# Allegro board 1155001-Timing_board_V3_20241024_1805_pcb.brd (continued)
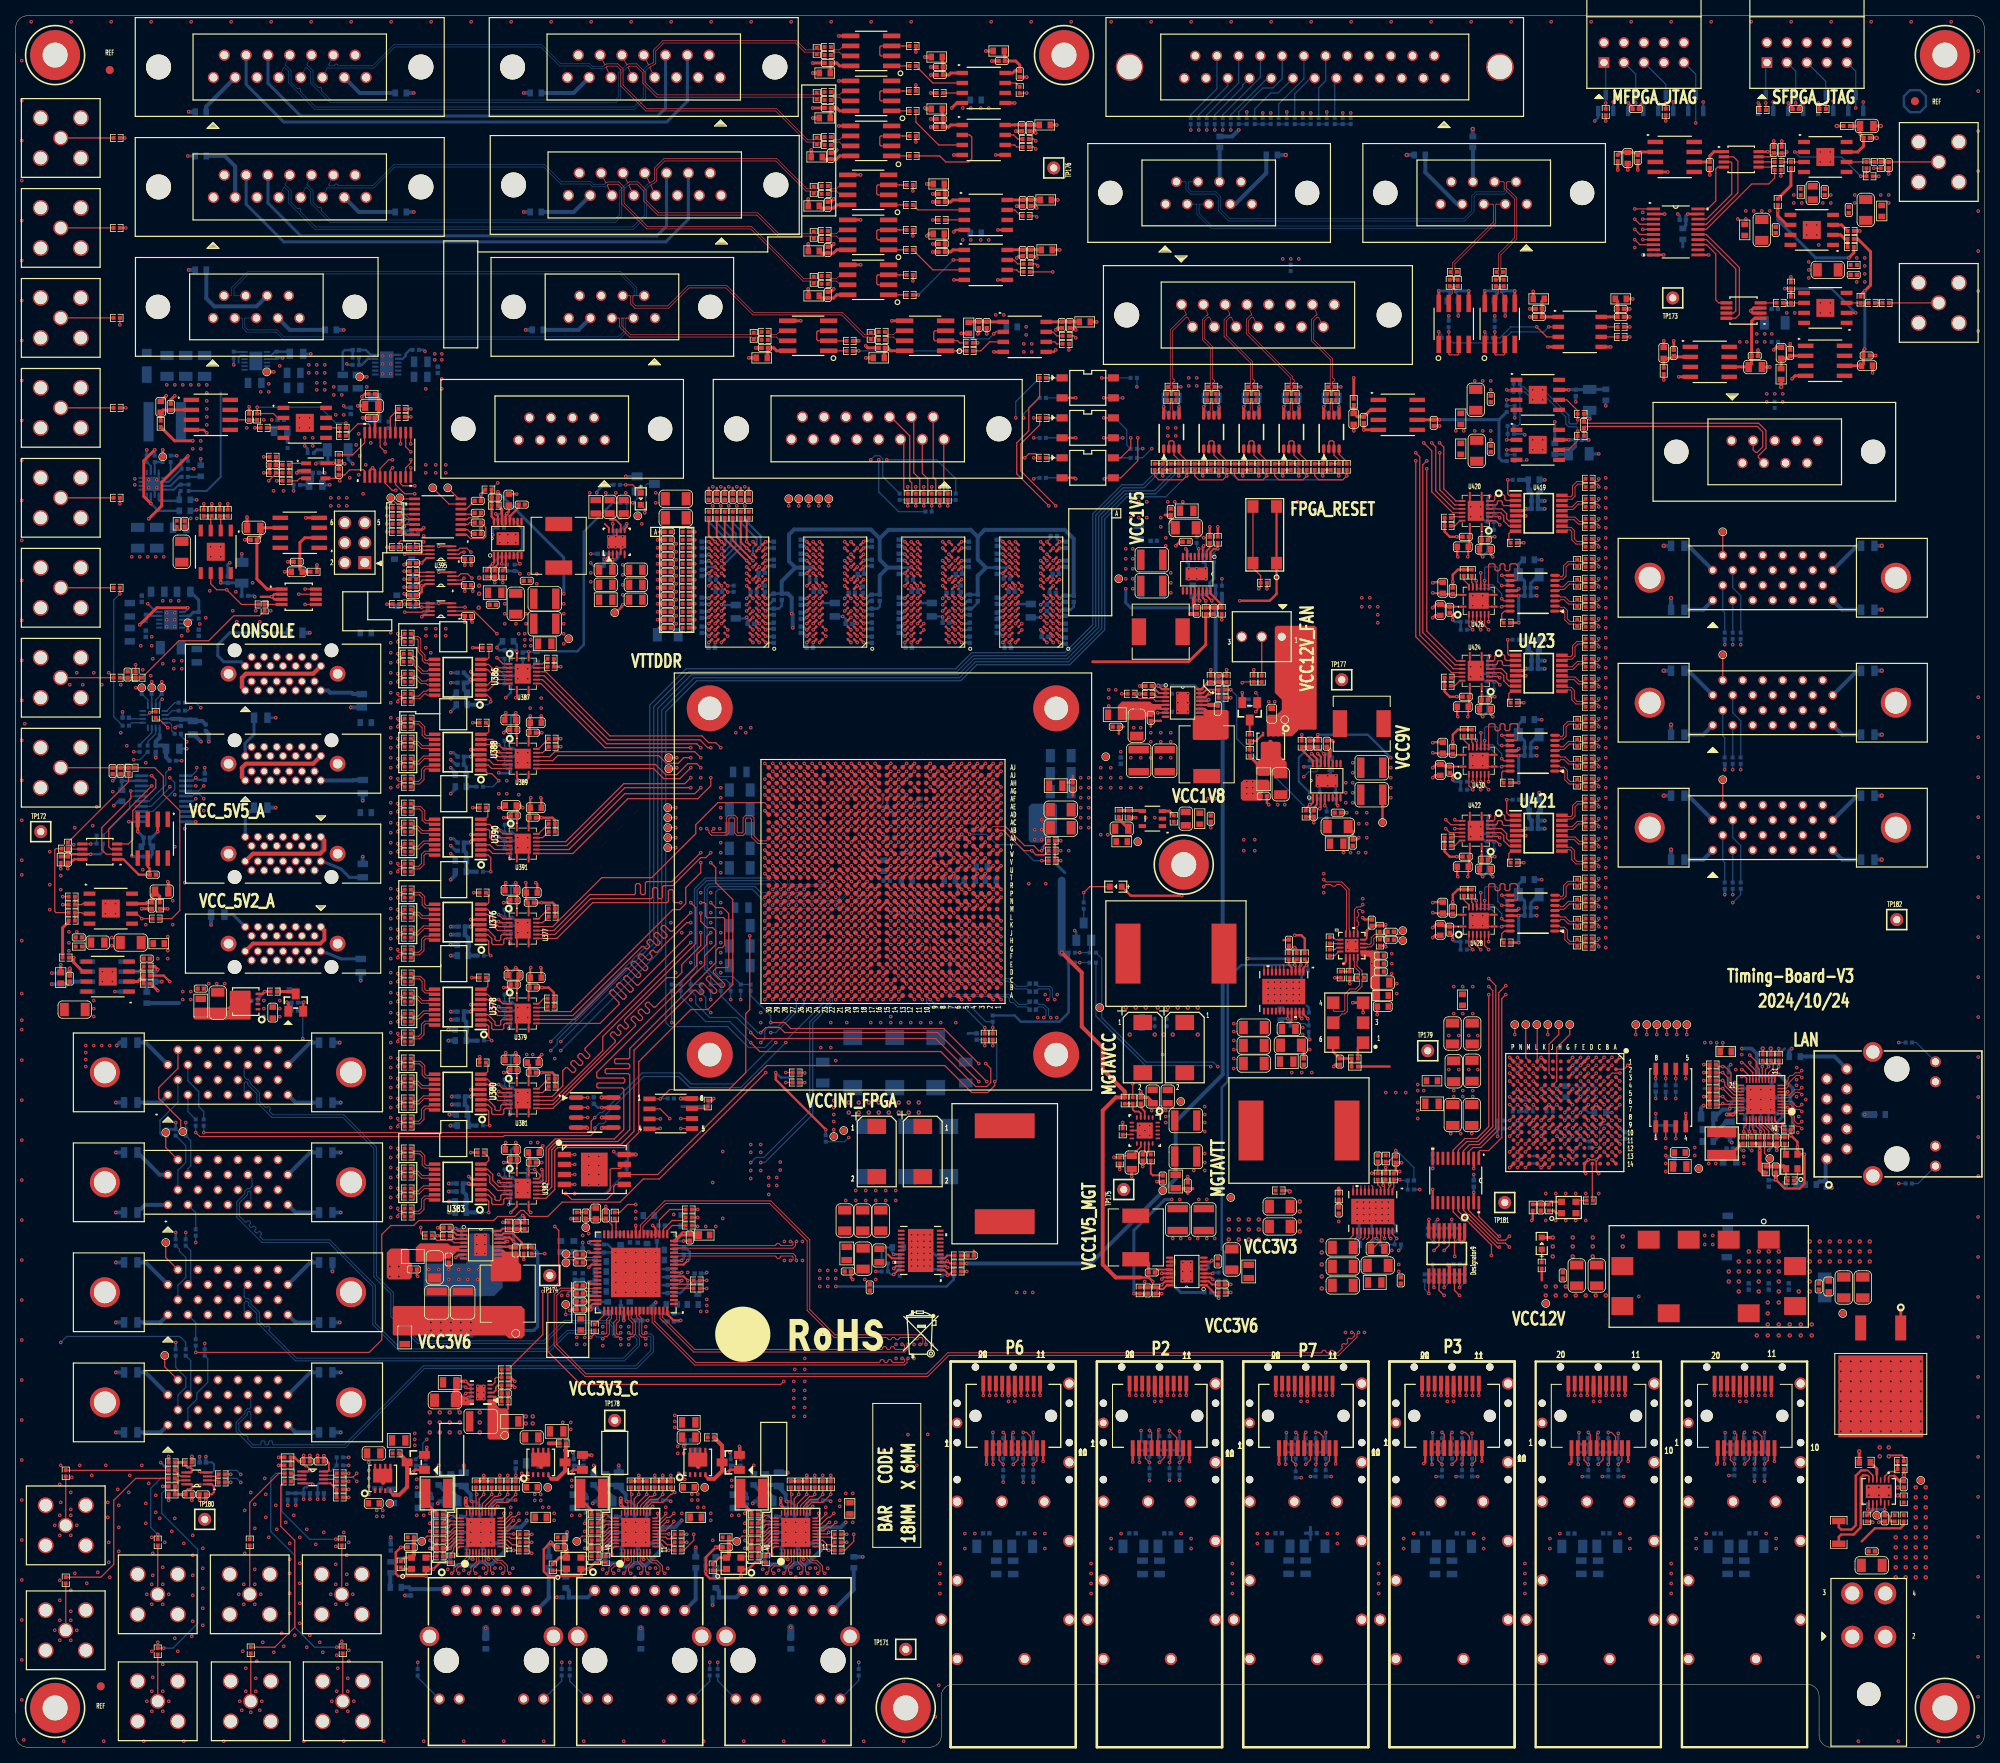
[diagram p0: board, top side]
## Routing (per net, layer and track width the routed paths; a pad name or vN(x,y) marks a point on that pad's centre or on a via; arc(x,y) is an arc through that point) (continued)
DDR3_A_DM1: length 27.9
  TOP w0.254: U75.D3 v1(118.52,143.57) ; U247.AK3 v1(123.14,125)
  ART03 w0.102: 123.22,125.5 123.22,125.46 123.14,125.38 v1(123.14,125)
  ART03 w0.183: v1(118.52,143.57) 117.72,142.77 117.32,142.77 117.12,142.97 117.12,144.3 116.94,144.48 116.41,144.48 116.23,144.29 116.23,141.14 120.73,136.64 120.73,131.37 123.5,128.6 123.5,125.77 123.22,125.5
DDR3_A_DM2: length 43.7
  TOP w0.254: U76.E7 v1(126.97,143.57) ; U247.AE1 v1(125.14,120)
  ART10 w0.102: v1(125.14,120) 125.33,120.2 126.08,120.2 126.35,120.47
  ART10 w0.183: v1(126.97,143.57) 127.52,143.57 127.79,143.84 127.79,145.37 128.37,145.95 128.37,148.58 128.55,148.77 128.93,148.77 129.11,148.58 129.11,147.18 129.29,147 129.58,147 129.77,146.82 129.77,146.45 129.58,146.27 129.29,146.27 129.11,146.09 129.11,145.67 128.55,145.11 128.55,143.32 128.32,143.09 128.32,142.49 128.55,142.26 128.55,140.82 130.52,138.84 130.52,136.1 128.4,133.98 128.4,130.32 131.11,127.61 131.11,125.23 126.35,120.47
DDR3_A_DM3: length 37.4
  TOP w0.254: U76.D3 v1(130.97,142.77) ; U247.AC1 v1(125.14,118)
  ART03 w0.102: 131.85,139.93 131.49,139.93 131.37,140.06 131.37,142.55 131.14,142.77 v1(130.97,142.77) ; v1(125.14,118) 125.21,118.08 127.49,118.08 127.71,118.29
  ART03 w0.183: 127.71,118.29 133.52,124.1 133.52,127.02 133.79,127.29 134.05,127.29 134.62,126.72 134.88,126.72 135.14,126.98 135.14,127.24 134.57,127.81 134.57,128.07 134.83,128.33 135.09,128.33 135.25,128.16 135.51,128.16 135.77,128.42 135.77,128.68 135.61,128.84 135.61,129.1 136.09,129.59 136.09,136.29 132.45,139.93 131.85,139.93
DDR3_A_DM4: length 42.9
  TOP w0.254: U247.AF15 v1(111.14,121) ; U77.E7 v1(89.63,143.57)
  ART10 w0.102: v1(111.14,121) 110.79,121 109.34,122.45 108.94,122.45 108.74,122.65 108.74,125.25 108.61,125.38 108.61,125.47 108.04,126.04
  ART10 w0.183: v1(89.63,143.57) 90.44,144.38 90.59,144.38 90.72,144.26 90.72,142.45 90.91,142.25 90.91,140.68 90.73,140.5 90.4,140.5 90.22,140.32 90.22,139.87 90.49,139.59 91.37,139.59 91.55,139.41 91.55,139.1 91.37,138.91 90.33,138.91 90.14,138.73 90.14,138.36 90.33,138.18 91.68,138.18 91.87,138 91.87,135.12 94.94,132.05 102.03,132.05 108.04,126.04
DDR3_A_DM5: length 37
  TOP w0.254: U247.AF18 v1(107.14,121) ; U77.D3 v1(93.63,143.57)
  ART03 w0.102: 95.45,141.57 94.19,141.57 94.03,141.73 94.03,143.17 v1(93.63,143.57) ; v1(107.14,121) 107.74,121.6 109.31,121.6 110.02,122.32 110.02,125.5
  ART03 w0.183: 95.45,141.57 96.13,141.57 96.31,141.75 96.31,142.4 96.49,142.58 96.86,142.58 97.04,142.4 97.04,141.75 97.23,141.57 97.6,141.57 97.93,141.24 97.93,137.57 106.07,129.43 107.21,129.43 110.02,126.61 110.02,125.5
DDR3_A_DM6: length 48.6
  TOP w0.254: v1(107.14,118) U247.AC19 ; U78.E7 v1(102.07,143.57)
  ART10 w0.102: v1(107.14,118) 107.14,118.39 107.24,118.49 109.42,118.49 109.63,118.7 109.63,119.13 109.9,119.4 113.41,119.4 113.74,119.73 113.74,120.81 113.84,120.91 114.17,120.91 114.27,121.01 114.27,121.21 114.17,121.31 113.84,121.31 113.74,121.42 113.74,125.53
  ART10 w0.183: v1(102.07,143.57) 102.12,143.57 103.31,142.38 103.31,141.9 103.5,141.72 103.86,141.72 104.04,141.53 104.04,141.17 103.86,140.99 103.5,140.99 103.31,140.8 103.31,140.49 103.53,140.28 103.98,140.28 104.19,140.07 104.19,139.56 106.19,137.57 106.45,137.57 106.83,137.95 107.08,137.95 107.34,137.69 107.34,137.43 106.96,137.05 106.96,136.79 107.22,136.53 107.48,136.53 107.86,136.91 108.12,136.91 108.38,136.66 108.38,136.4 108,136.02 108,135.76 108.26,135.5 108.52,135.5 108.9,135.88 109.15,135.88 109.41,135.62 109.41,135.36 109.03,134.98 109.03,134.72 109.29,134.47 109.55,134.47 109.93,134.85 110.19,134.85 110.45,134.59 110.45,134.33 110.07,133.95 110.07,133.69 110.33,133.43 110.58,133.43 110.96,133.81 111.22,133.81 111.48,133.55 111.48,133.29 111.1,132.91 111.1,132.65 111.36,132.4 111.62,132.4 112,132.78 112.26,132.78 112.52,132.52 112.52,132.26 112.34,132.09 112.34,131.83 112.7,131.47 112.96,131.47 113.13,131.65 113.39,131.65 113.74,131.29 113.74,125.53
DDR3_A_DM7: length 40.2
  TOP w0.254: U78.D3 v1(106.07,143.57) ; U247.Y15 v1(111.14,115)
  ART03 w0.102: v1(106.07,143.57) 106.47,143.17 107.98,143.17 ; 116.57,125.36 116.57,116.83 116.2,116.46 115.95,116.46 115.57,116.08 115.57,115.82 115.32,115.57 111.71,115.57 v1(111.14,115)
  ART03 w0.183: 116.57,125.36 116.57,134.42 110.5,140.5 110.5,141.68 109,143.17 107.98,143.17
DDR3_A_DQS0_N: length 32.4
  TOP w0.183: U247.AJ7 v1(119.14,124) ; U75.G3 v1(117.72,145.17)
  ART10 w0.102: 119.49,125.5 119.49,125.49 119.54,125.44 119.54,123.76 119.37,123.6 119.25,123.6 119.14,123.71 v1(119.14,124)
  ART10 w0.145: 119.49,125.5 119.49,126 121.16,127.67 121.16,130.18 121.65,130.66 121.65,131.2 121.16,131.68 121.16,132.59 121.48,132.91 122.31,132.91 122.46,133.06 122.46,133.63 122.31,133.78 121.48,133.78 121.16,134.1 121.16,134.92 121.48,135.24 122.31,135.24 122.46,135.39 122.46,135.97 122.31,136.11 121.48,136.11 121.16,136.43 121.16,138.47 120.76,138.87 119,138.87 117.73,140.15 117.73,142.55 116.47,143.8 116.47,144.39 116.98,144.91 117.46,144.91 v1(117.72,145.17)
DDR3_A_DQS0_P: length 32.5
  TOP w0.183: U75.F3 v1(117.72,144.37) ; U247.AH7 v1(119.14,123)
  ART10 w0.102: 119.79,125.5 119.74,125.45 119.74,123.68 119.46,123.4 119.24,123.4 119.14,123.3 v1(119.14,123)
  ART10 w0.145: 119.79,125.5 119.79,125.88 121.46,127.55 121.46,130.05 121.94,130.54 121.94,131.32 121.46,131.81 121.46,132.47 121.61,132.61 122.43,132.61 122.75,132.93 122.75,133.76 122.43,134.08 121.61,134.08 121.46,134.22 121.46,134.8 121.61,134.95 122.43,134.95 122.75,135.26 122.75,136.09 122.43,136.41 121.61,136.41 121.46,136.55 121.46,138.59 120.89,139.17 120.39,139.17 120.24,139.32 119.8,139.32 119.65,139.17 119.13,139.17 118.86,139.43 118.86,139.64 118.6,139.9 118.39,139.9 118.02,140.27 118.02,142.67 116.77,143.93 116.77,144.27 117.1,144.61 117.48,144.61 v1(117.72,144.37)
DDR3_A_DQS1_N: length 27.7
  TOP w0.183: U247.AH1 v1(125.14,122) ; U75.B7 v1(115.32,141.97)
  ART03 w0.102: v1(125.14,122) 124.85,122 124.75,122.1 124.75,122.32 124.47,122.6 122.97,122.6 122.74,122.83 122.74,125.47 122.75,125.49 122.75,125.5
  ART03 w0.145: v1(115.32,141.97) 115.18,142.12 114.97,142.12 114.83,141.97 114.83,141.7 119.88,136.65 119.88,136.21 120.03,136.06 120.03,135.63 119.88,135.47 119.88,135.04 120.03,134.89 120.03,134.45 119.88,134.3 119.88,133.87 120.03,133.71 120.03,133.28 119.88,133.13 119.88,132.69 120.03,132.54 120.03,132.11 119.88,131.95 119.88,131.26 122.75,128.39 122.75,125.5
DDR3_A_DQS1_P: length 27.8
  TOP w0.183: U247.AG2 v1(124.14,122) ; U75.C7 v1(115.32,142.77)
  ART03 w0.102: v1(124.14,122) 124.43,122 124.55,122.11 124.55,122.23 124.38,122.4 122.89,122.4 122.54,122.75 122.54,125.42 122.46,125.5
  ART03 w0.145: 122.46,125.5 122.46,128.27 119.58,131.14 119.58,136.52 114.53,141.58 114.53,142.09 114.85,142.41 114.96,142.41 v1(115.32,142.77)
DDR3_A_DQS2_N: length 43.6
  TOP w0.183: U247.AG3 v1(123.14,122) ; U76.G3 v1(130.17,145.17)
  ART10 w0.102: v1(123.14,122) 122.74,121.6 122.74,119.83 122.97,119.6 125.57,119.6 125.61,119.65 125.64,119.65
  ART10 w0.145: 125.64,119.65 126.49,119.65 131.95,125.12 131.95,127.6 128.94,130.61 128.94,133.85 130.41,135.32 132.84,135.32 133.01,135.48 133.01,135.88 132.86,136.03 131.51,136.03 131.2,136.35 131.2,136.99 131.51,137.31 131.82,137.31 131.96,137.46 131.96,137.75 131.82,137.89 131.51,137.89 131.2,138.21 131.2,139.12 129.24,141.08 129.24,144.63 129.58,144.98 129.97,144.98 v1(130.17,145.17)
DDR3_A_DQS2_P: length 44.1
  TOP w0.183: U247.AG4 v1(122.14,122) ; U76.F3 v1(130.17,144.37)
  ART10 w0.102: v1(122.14,122) 122.54,121.6 122.54,119.75 122.89,119.4 125.57,119.4 125.61,119.35 125.64,119.35
  ART10 w0.145: v1(130.17,144.37) 129.86,144.68 129.71,144.68 129.54,144.51 129.54,141.2 131.49,139.25 131.49,138.33 131.64,138.19 131.94,138.19 132.26,137.87 132.26,137.34 131.94,137.02 131.64,137.02 131.49,136.87 131.49,136.47 131.64,136.32 132.99,136.32 133.3,136.01 133.3,135.36 132.97,135.02 132.63,135.02 132.48,134.87 132.05,134.87 131.89,135.02 130.53,135.02 129.23,133.73 129.23,130.74 132.25,127.72 132.25,124.99 126.61,119.35 125.64,119.35
DDR3_A_DQS3_N: length 37.7
  TOP w0.183: U76.B7 v1(127.77,141.97) ; U247.AD1 v1(125.14,119)
  ART03 w0.102: 125.64,119.36 125.63,119.36 125.58,119.4 124.87,119.4 124.71,119.25 124.71,119.1 124.82,119 v1(125.14,119)
  ART03 w0.145: v1(127.77,141.97) 127.59,142.14 127.41,142.14 127.26,142 127.26,141.16 127.67,140.75 127.95,140.75 128.65,141.45 129.1,141.45 129.68,140.87 129.68,140.41 129.04,139.77 129.04,139.56 129.9,138.7 129.9,136.21 130.19,135.92 130.7,135.92 131.05,135.58 131.05,134.81 130.7,134.46 130.21,134.46 129.19,133.44 129.19,130.79 131.59,128.39 131.59,124.52 129.85,122.79 129.4,122.79 128.71,123.48 128.51,123.48 128.1,123.07 128.1,122.86 128.79,122.17 128.79,121.72 126.42,119.36 125.64,119.36
DDR3_A_DQS3_P: length 38.5
  TOP w0.183: U76.C7 v1(127.77,142.77) ; U247.AD2 v1(124.14,119)
  ART03 w0.102: 125.64,119.65 125.59,119.6 124.78,119.6 124.51,119.33 124.51,119.1 124.41,119 v1(124.14,119)
  ART03 w0.145: 125.64,119.65 126.3,119.65 127.66,121.01 127.66,121.23 127.97,121.54 128.18,121.54 128.49,121.84 128.49,122.05 127.8,122.74 127.8,123.19 128.38,123.77 128.83,123.77 129.53,123.08 129.73,123.08 131.29,124.65 131.29,125.51 131.14,125.67 131.14,126.1 131.29,126.25 131.29,128.26 130.68,128.87 130.47,128.87 130.16,129.18 130.16,129.4 128.89,130.66 128.89,133.57 130.08,134.76 130.58,134.76 130.75,134.93 130.75,135.46 130.58,135.63 130.06,135.63 129.6,136.09 129.6,138.57 128.74,139.44 128.74,139.89 129.39,140.54 129.39,140.74 128.98,141.15 128.77,141.15 128.07,140.45 127.55,140.45 126.96,141.04 126.96,142.12 127.28,142.44 127.43,142.44 v1(127.77,142.77)
DDR3_A_DQS4_N: length 39.9
  TOP w0.183: U247.AJ16 v1(109.14,124) ; U77.G3 v1(92.83,145.17)
  ART10 w0.102: 109.23,126.49 109.3,126.49 109.42,126.36 109.42,125.45 109.6,125.27 109.6,123.78 109.43,123.6 109.24,123.6 109.14,123.7 v1(109.14,124)
  ART10 w0.145: 109.23,126.49 102.51,133.21 97.25,133.21 96.92,133.54 96.92,134.32 96.75,134.49 96.22,134.49 96.05,134.32 96.05,133.71 95.72,133.38 95,133.38 94.64,133.75 94.64,134.71 94.44,134.91 93.81,134.91 93.04,135.68 93.04,139.95 92.72,140.26 92.4,140.26 92.08,140.58 92.08,141.41 92.4,141.72 92.76,141.72 92.91,141.87 92.91,142.45 92.76,142.59 91.87,142.59 91.55,142.91 91.55,144.48 91.97,144.9 92.56,144.9 v1(92.83,145.17)
DDR3_A_DQS4_P: length 40.6
  TOP w0.183: U77.F3 v1(92.83,144.37) ; U247.AH16 v1(109.14,123)
  ART10 w0.102: 109.45,126.69 109.45,126.63 109.63,126.45 109.63,125.53 109.81,125.36 109.81,123.69 109.51,123.4 109.24,123.4 109.14,123.3 v1(109.14,123)
  ART10 w0.145: v1(92.83,144.37) 92.6,144.6 92.09,144.6 91.85,144.36 91.85,143.03 91.99,142.89 92.89,142.89 93.21,142.57 93.21,141.75 92.89,141.43 92.52,141.43 92.38,141.28 92.38,140.7 92.52,140.56 92.84,140.56 93.33,140.07 93.33,135.8 93.93,135.2 94.56,135.2 94.93,134.83 94.93,133.87 95.12,133.68 95.6,133.68 95.75,133.84 95.75,134.44 96.1,134.79 96.87,134.79 97.22,134.44 97.22,133.66 97.38,133.5 97.81,133.5 97.96,133.65 98.4,133.65 98.55,133.5 98.98,133.5 99.14,133.65 99.57,133.65 99.72,133.5 100.16,133.5 100.31,133.65 100.74,133.65 100.9,133.5 102.64,133.5 102.99,133.15 103.2,133.15 103.51,132.85 103.51,132.63 103.82,132.32 104.03,132.32 104.34,132.02 104.34,131.8 104.65,131.49 104.86,131.49 105.17,131.19 105.17,130.97 105.48,130.66 105.69,130.66 106,130.36 106,130.14 109.45,126.69
DDR3_A_DQS5_N: length 34.9
  TOP w0.183: U247.AK18 v1(107.14,125) ; U77.B7 v1(90.43,141.17)
  ART03 w0.102: 107.49,125.5 107.49,125.49 107.54,125.44 107.54,124.66 107.43,124.56 107.14,124.56 107.01,124.69 107.01,124.87 v1(107.14,125)
  ART03 w0.145: 107.49,125.5 107.49,125.71 106.22,126.97 105.11,126.97 101.45,130.63 99.88,130.63 95.17,135.35 95.17,135.8 95.28,135.91 95.28,136.12 94.87,136.53 94.76,136.53 94.66,136.53 94.42,136.29 91.23,136.29 90.91,136.61 90.91,137.24 91.23,137.55 91.92,137.55 92.06,137.7 92.06,138.28 91.92,138.42 91.23,138.42 90.91,138.74 90.91,139.5 91.23,139.82 92.25,139.82 92.4,139.96 92.4,140.54 92.25,140.68 91.23,140.68 90.91,141 90.91,141.33 90.76,141.47 90.57,141.47 90.43,141.33 v1(90.43,141.17)
DDR3_A_DQS5_P: length 35.3
  TOP w0.183: U247.AJ18 v1(107.14,124) ; U77.C7 v1(90.43,141.97)
  ART03 w0.102: 107.79,125.5 107.79,125.49 107.74,125.44 107.74,124.58 107.52,124.36 107.36,124.36 107.14,124.13 v1(107.14,124)
  ART03 w0.145: 107.79,125.5 107.79,125.83 106.34,127.27 105.23,127.27 101.57,130.93 100.01,130.93 95.46,135.47 95.46,135.68 95.57,135.79 95.57,136.14 95.57,136.24 94.99,136.82 94.77,136.82 94.76,136.82 94.54,136.82 94.3,136.59 91.35,136.59 91.2,136.73 91.2,137.11 91.35,137.26 92.04,137.26 92.36,137.58 92.36,138.4 92.04,138.72 91.35,138.72 91.2,138.87 91.2,139.37 91.35,139.52 92.38,139.52 92.7,139.84 92.7,140.66 92.38,140.98 91.35,140.98 91.2,141.13 91.2,141.45 90.89,141.77 90.63,141.77 v1(90.43,141.97)
DDR3_A_DQS6_N: length 48
  TOP w0.183: U78.G3 v1(105.27,145.17) ; U247.Y18 v1(107.14,115)
  ART10 w0.102: v1(107.14,115) 107.14,114.73 107.26,114.6 107.43,114.6 107.54,114.71 107.54,115.23 107.37,115.4 106.76,115.4 106.54,115.62 106.54,117.29 106.85,117.6 114.34,117.6 114.54,117.8 114.54,119.32 114.94,119.72 114.94,125.4 114.76,125.58 114.76,126.06 114.71,126.11
  ART10 w0.145: v1(105.27,145.17) 105.01,144.91 104.35,144.91 103.79,144.34 103.79,143.62 104.65,142.76 104.98,142.76 105.34,142.4 105.34,140.09 105.86,139.57 107.07,139.57 111.48,135.16 111.48,135.03 111.83,134.68 111.96,134.68 112.31,134.33 112.31,134.11 112.62,133.8 112.83,133.8 113.14,133.5 113.14,133.28 113.45,132.97 113.66,132.97 114.71,131.93 114.71,126.11
DDR3_A_DQS6_P: length 47.5
  TOP w0.183: U78.F3 v1(105.27,144.37) ; U247.Y19 v1(107.14,114)
  ART10 w0.102: 115.01,126.11 114.96,126.06 114.96,125.66 115.14,125.48 115.14,119.63 114.74,119.24 114.74,117.71 114.43,117.4 106.93,117.4 106.74,117.2 106.74,115.7 106.84,115.6 107.45,115.6 107.74,115.32 107.74,114.62 107.52,114.4 107.24,114.4 107.14,114.3 v1(107.14,114)
  ART10 w0.145: v1(105.27,144.37) 105.03,144.61 104.48,144.61 104.09,144.22 104.09,143.74 104.78,143.05 105.11,143.05 105.64,142.52 105.64,140.21 105.98,139.87 107.19,139.87 115.01,132.05 115.01,126.11
DDR3_A_DQS7_N: length 40.6
  TOP w0.183: U247.AC15 v1(110.14,118) ; U78.B7 v1(102.87,141.17)
  ART03 w0.102: 113.49,125.5 113.49,125.49 113.54,125.44 113.54,118.82 113.31,118.6 111.56,118.6 110.51,117.55 110.19,117.55 110.08,117.65 110.08,117.95 v1(110.14,118)
  ART03 w0.145: 113.49,125.5 113.49,126.6 113.34,126.75 113.34,127.18 113.49,127.33 113.49,127.77 113.34,127.92 113.34,128.36 113.49,128.51 113.49,128.94 113.34,129.09 113.34,129.53 113.49,129.68 113.49,130.07 113.04,130.53 113.04,130.85 112.73,131.15 112.52,131.15 112.21,131.46 112.21,131.68 111.89,131.99 111.68,131.99 111.37,132.3 111.37,132.51 111.07,132.82 110.85,132.82 110.54,133.13 110.54,133.34 110.24,133.65 110.03,133.65 109.84,133.46 109.39,133.46 108.8,134.04 108.8,134.49 108.99,134.69 108.99,134.89 108.59,135.3 108.38,135.3 108.19,135.11 107.74,135.11 107.15,135.69 107.15,136.14 107.34,136.34 107.34,136.54 106.96,136.92 106.76,136.92 106.32,136.49 105.87,136.49 105.33,137.03 105.33,137.48 106.14,138.29 106.14,138.5 105.89,138.74 105.57,138.74 105.23,138.4 104.78,138.4 104.19,138.98 104.19,139.43 104.9,140.15 104.9,141.34 104.69,141.55 104.2,141.55 104.05,141.4 103.61,141.4 103.46,141.55 103.05,141.55 102.87,141.38 v1(102.87,141.17)
DDR3_A_DQS7_P: length 40.1
  TOP w0.183: U78.C7 v1(102.87,141.97) ; U247.AC16 v1(110.14,117)
  ART03 w0.102: 113.79,125.5 113.79,125.49 113.74,125.44 113.74,118.74 113.4,118.4 111.65,118.4 110.6,117.35 110.24,117.35 110.14,117.25 v1(110.14,117)
  ART03 w0.145: 113.79,125.5 113.79,130.2 113.33,130.65 113.33,130.97 110.36,133.95 109.91,133.95 109.71,133.75 109.51,133.75 109.1,134.16 109.1,134.37 109.29,134.56 109.29,135.01 108.71,135.6 108.26,135.6 108.06,135.4 107.86,135.4 107.45,135.81 107.45,136.02 107.64,136.21 107.64,136.66 107.09,137.22 106.63,137.22 106.2,136.78 105.99,136.78 105.63,137.15 105.63,137.36 106.44,138.17 106.44,138.62 106.02,139.04 105.45,139.04 105.1,138.7 104.9,138.7 104.49,139.11 104.49,139.31 105.2,140.03 105.2,141.46 104.82,141.85 103,141.85 v1(102.87,141.97)
DDR3_A_ODT: length 115
  TOP w0.254: U247.AK10 v1(116.14,125) ; U75.K1 v1(120.12,148.37) ; U76.K1 v1(132.57,148.37) ; R484.2 v1(86.23,142.24) ; U78.K1 v1(107.67,148.37) ; U77.K1 v1(95.23,148.37)
  ART03 w0.102: v1(132.57,148.37) U76.K1 120.52,147.97 v1(120.12,148.37) U75.K1 108.07,147.97 v1(107.67,148.37) U78.K1 95.63,147.97 v1(95.23,148.37)
  ART05 w0.183: v1(132.57,148.37) 132.57,148.08 133.71,146.93 133.71,140.2 132.54,139.03 129.37,139.03 128.33,137.99 121.47,137.99 120.01,136.53 118.92,136.53 118.61,136.83 118.19,136.83 117.88,136.53 117.46,136.53 117.15,136.83 116.73,136.83 116.42,136.53 115.77,136.53 115.59,136.34 115.59,135.98 115.77,135.79 118.8,135.79 118.99,135.61 118.99,135.24 118.8,135.06 115.77,135.06 115.59,134.88 115.59,134.51 115.77,134.33 116.96,134.33 117.14,134.15 117.14,133.78 116.96,133.6 115.04,133.6 114.83,133.39 114.83,132.35 114.65,132.16 114.33,132.16 114.15,131.98 114.15,131.62 114.33,131.43 114.65,131.43 114.83,131.25 114.83,130.88 114.65,130.7 112.94,130.7 112.76,130.52 112.76,130.15 112.94,129.97 114.65,129.97 114.83,129.79 114.83,129.42 114.65,129.24 112.94,129.24 112.76,129.06 112.76,128.69 112.94,128.51 114.65,128.51 114.83,128.32 114.83,126.3 v1(116.14,125)
  ART10 w0.102: v1(95.23,148.37) U77.K1 87.77,147.97 87.37,147.57
  ART10 w0.183: 87.37,147.57 86.87,147.07 86.87,142.88 v1(86.23,142.24)
DDR3_A_RAS_B: length 110.3
  TOP w0.254: U76.J3 v1(130.17,147.57) ; U75.J3 v1(117.72,147.57) ; U77.J3 v1(92.83,147.57) ; U78.J3 v1(105.27,147.57) ; U247.AK9 v1(116.14,124) ; R482.2 v1(86.23,143.26)
  ART05 w0.102: v1(116.14,124) 115.75,124 115.24,124.51 115.19,124.51 114.2,125.5 ; v1(130.17,147.57) 129.77,147.97 118.12,147.97 v1(117.72,147.57) 117.32,147.97 105.67,147.97 v1(105.27,147.57) 104.87,147.97 93.23,147.97 v1(92.83,147.57)
  ART05 w0.183: v1(130.17,147.57) 130.18,147.56 130.18,146.94 129.59,146.35 129.59,140.63 127.92,138.96 113.09,138.96 111.41,137.28 109.43,137.28 109.25,137.1 109.25,136.73 109.43,136.55 111.39,136.55 111.58,136.36 111.58,136 111.39,135.82 109.43,135.82 109.25,135.63 109.25,135.27 109.43,135.08 111.39,135.08 111.58,134.9 111.58,134.54 111.39,134.35 109.43,134.35 109.25,134.17 109.25,133.8 109.43,133.62 111.39,133.62 111.58,133.44 111.58,133.07 111.39,132.89 109.43,132.89 109.25,132.71 109.25,132.34 109.43,132.16 111.39,132.16 111.58,131.98 111.58,128.12 114.2,125.5
  ART08 w0.102: v1(86.23,143.26) 87,144.02 87,145.54 87.82,146.37 89.79,146.37 89.8,146.37 90.59,146.37 91.79,147.57 v1(92.83,147.57)
DDR3_A_RESET_B: length 109.7
  TOP w0.254: U76.T2 v1(130.97,153.17) ; U75.T2 v1(118.52,153.17) ; U247.AE13 v1(113.14,120) ; U77.T2 v1(93.63,153.17) ; U78.T2 v1(106.07,153.17)
  ART03 w0.102: v1(130.97,153.17) 130.57,152.77 U75.T2 v1(118.52,153.17) 118.12,152.77 U78.T2 v1(106.07,153.17) 105.67,152.77 U77.T2 v1(93.63,153.17)
  ART05 w0.102: v1(113.14,120) 113.74,119.4 113.74,115.67 114.01,115.4 121.39,115.4 121.74,115.75 121.74,116.28 121.86,116.4 125.47,116.4 125.61,116.26 125.64,116.26
  ART05 w0.183: v1(130.97,153.17) 131.9,154.11 134.3,154.11 139.08,149.33 139.08,136.84 136.44,134.21 136.44,126.43 134.27,124.26 134.27,123.3 127.23,116.26 125.64,116.26
  BOTTOM w0.254: R8.1 131.43,153.63 v1(130.97,153.17)
DDR3_A_S0_B: length 114.4
  TOP w0.254: U77.L2 v1(93.63,148.37) ; R479.2 v1(86.23,144.27) ; U247.AH9 v1(117.14,123) ; U78.L2 v1(106.07,148.37) ; U76.L2 v1(130.97,148.37) ; U75.L2 v1(118.52,148.37)
  ART03 w0.102: v1(93.63,148.37) U77.L2 105.67,148.77 v1(106.07,148.37) U78.L2 118.12,148.77 v1(118.52,148.37) U75.L2 130.57,148.77 v1(130.97,148.37)
  ART05 w0.102: v1(130.97,148.37) 131.39,148.79 132.72,148.79 133.06,148.45 ; 116.74,124.84 116.74,123.4 v1(117.14,123)
  ART05 w0.183: 116.74,124.84 116.74,125.09 115.32,126.51 115.32,128.26 115.5,128.44 118.14,128.44 118.32,128.62 118.32,128.99 118.14,129.17 115.52,129.17 115.32,129.37 115.32,129.72 115.5,129.9 118.14,129.9 118.32,130.09 118.32,130.45 118.14,130.63 115.52,130.63 115.32,130.84 115.32,131.18 115.5,131.37 118.14,131.37 118.32,131.55 118.32,131.91 118.14,132.1 115.52,132.1 115.32,132.3 115.32,132.66 115.5,132.84 118.33,132.84 119.73,134.24 120.92,134.24 124.18,137.5 128.53,137.5 129.57,138.54 132.74,138.54 134.2,140 134.2,147.31 133.06,148.45
  ART10 w0.102: 85.98,147.7 86.11,147.83 86.49,147.83 86.97,148.31 91.87,148.31 92.33,148.77 93.23,148.77 v1(93.63,148.37)
  ART10 w0.183: v1(86.23,144.27) 85.72,144.78 85.72,147.45 85.98,147.7
DDR3_A_WE_B: length 107.9
  TOP w0.254: U75.L3 v1(117.72,149.17) ; U76.L3 v1(130.17,149.17) ; U247.AJ9 v1(117.14,124) ; U78.L3 v1(105.27,149.17) ; R480.2 v1(86.23,147.32) ; U77.L3 v1(92.83,149.17)
  ART05 w0.102: v1(92.83,149.17) 95.45,149.17 95.85,149.57 104.87,149.57 v1(105.27,149.17) 105.67,149.57 117.32,149.57 v1(117.72,149.17) 118.12,149.57 129.77,149.57 v1(130.17,149.17) 130.27,149.06 132.81,149.06 132.92,148.95 133.25,148.95 133.38,148.81
  ART05 w0.183: v1(117.14,124) 117.14,125.85 117.4,126.11 119.31,126.11 119.5,126.29 119.5,126.68 119.31,126.86 115.99,126.86 115.81,127.05 115.81,127.41 115.99,127.59 119.31,127.59 119.5,127.78 119.5,130.39 119.68,130.57 121.07,130.57 121.25,130.75 121.25,131.12 121.07,131.3 120.08,131.3 119.9,131.49 119.9,131.85 120.08,132.03 121.95,132.03 122.14,132.22 122.14,132.58 121.95,132.77 120.08,132.77 119.9,132.95 119.9,133.31 120.08,133.5 123.48,133.5 123.66,133.68 123.66,134.01 123.48,134.19 122.53,134.19 122.35,134.37 122.35,134.74 122.53,134.92 123.52,134.92 125.61,137.01 128.73,137.01 129.77,138.06 132.94,138.06 134.69,139.8 134.69,147.51 133.38,148.81
  ART08 w0.102: v1(86.23,147.32) 87.68,148.77 92.43,148.77 v1(92.83,149.17)
DDR_POWER_GOOD: length 75.8
  TOP w0.157: U247.J23 v1(102.14,103)
  ART03 w0.117: v1(102.14,103) 101.63,103.5 100.84,103.5 100.58,103.76 100.58,104.27 100.33,104.52 93.4,104.52 88.44,109.47 87.68,109.47 77.88,119.28 77.88,154.71 78.11,154.94 78.11,157.86 v1(78.36,158.12)
  BOTTOM w0.157: R459.2 77.62,157.1 R220.2 v1(78.36,158.12) 78.91,158.67 Q10.1
EDS_CC1_N: length 87
  TOP w0.122: U247.AB30 v1(96.14,116)
  ART08 w0.099: J81.18 35.55,103.27 36.3,104.01 36.3,107 36.61,107.31 40.99,107.31 43.41,109.74 45.49,109.74 45.79,110.04 45.79,111.73 45.89,111.83 46.29,111.83 46.39,111.73 46.39,110.04 46.69,109.74 48.84,109.74 49.68,110.57 49.68,111.77 49.78,111.86 50.18,111.86 50.28,111.77 50.28,110.57 50.58,110.27 52.21,110.27 53.28,111.34 53.28,111.77 52.54,112.51 52.54,112.65 52.82,112.93 52.96,112.93 53.7,112.19 54.13,112.19 54.5,112.56 56.67,112.56 57.14,113.03 57.14,113.46 56.31,114.29 56.31,114.43 56.59,114.71 56.73,114.71 57.56,113.88 57.99,113.88 58.83,114.72 59.24,114.72 59.54,115.02 59.54,116.21 59.63,116.31 60.03,116.31 60.13,116.21 60.13,115.02 60.43,114.72 61.99,114.72 63.52,116.24 67.58,116.24 68.6,117.26 89.9,117.26 90.82,116.34 91.78,116.34 92.08,116.64 92.08,116.99 92.18,117.09 92.58,117.09 92.68,116.99 92.68,116.64 92.98,116.34 94.54,116.34 94.61,116.41 94.64,116.41
  ART08 w0.102: 94.64,116.41 96.03,116.41 96.14,116.3 v1(96.14,116)
EDS_CC1_P: length 88.7
  TOP w0.122: U247.AB29 v1(96.14,117)
  ART08 w0.099: J81.5 35.95,104.64 35.95,105.44 35.85,105.54 34.85,105.54 34.75,105.64 34.75,105.84 34.85,105.94 35.85,105.94 35.95,106.04 35.95,106.24 35.85,106.33 34.85,106.33 34.75,106.43 34.75,106.63 34.85,106.73 35.85,106.73 35.95,106.83 35.95,107.14 36.47,107.66 40.85,107.66 43.27,110.08 45.35,110.08 45.45,110.18 45.45,111.87 45.75,112.17 46.43,112.17 46.73,111.87 46.73,110.18 46.83,110.08 48.7,110.08 49.34,110.72 49.34,111.91 49.64,112.21 50.32,112.21 50.62,111.91 50.62,110.72 50.72,110.62 52.07,110.62 52.94,111.49 52.94,111.63 52.2,112.37 52.2,112.79 52.68,113.27 53.1,113.27 53.84,112.53 53.99,112.53 54.36,112.9 56.53,112.9 56.8,113.17 56.8,113.31 55.96,114.15 55.96,114.57 56.45,115.05 56.87,115.05 57.7,114.22 57.84,114.22 58.69,115.06 59.09,115.06 59.19,115.16 59.19,116.35 59.49,116.65 60.17,116.65 60.47,116.35 60.47,115.16 60.57,115.06 61.85,115.06 63.37,116.59 67.44,116.59 68.45,117.6 90.04,117.6 90.96,116.68 91.64,116.68 91.74,116.78 91.74,117.13 92.04,117.43 92.72,117.43 93.02,117.13 93.02,116.78 93.12,116.68 94.54,116.68 94.61,116.61 94.64,116.61
  ART08 w0.102: v1(96.14,117) 96.14,116.7 96.05,116.61 94.64,116.61
EDS_CC2_N: length 91.3
  TOP w0.122: U247.AA28 v1(97.14,115)
  ART08 w0.099: 94.64,113.6 94.61,113.6 94.54,113.67 93.24,113.67 92.81,113.25 91.54,113.25 91.17,112.88 90.75,112.88 90.38,113.25 68.69,113.25 66.84,111.39 65.56,111.39 65.26,111.09 65.26,110.73 65.16,110.63 64.76,110.63 64.66,110.73 64.66,111.09 64.36,111.39 63.68,111.39 63.38,111.09 63.38,110.73 63.28,110.63 62.89,110.63 62.79,110.73 62.79,111.09 62.49,111.39 61.54,111.39 58.23,108.08 56.91,108.08 55.78,106.95 55.78,106.52 55.94,106.37 55.94,106.23 55.65,105.95 55.51,105.95 55.36,106.1 54.94,106.1 54.45,105.62 54.45,105.2 54.61,105.04 54.61,104.9 54.33,104.62 54.19,104.62 54.03,104.78 53.61,104.78 53.13,104.3 53.13,103.87 53.28,103.72 53.28,103.58 53,103.3 52.86,103.3 52.71,103.45 52.28,103.45 51.07,102.23 50.66,102.23 50.56,102.33 50.56,103.49 50.26,103.79 49.58,103.79 49.28,103.49 49.28,102.33 49.18,102.23 47.17,102.23 45.34,100.41 45.34,100.07 44.86,99.59 44.72,99.59 44.08,100.24 43.65,100.24 43.17,99.75 43.17,99.33 43.81,98.69 43.81,98.55 42.42,97.16 42.42,96.74 42.94,96.22 42.94,96.08 42.66,95.8 42.52,95.8 42,96.32 40.71,96.32 40.41,96.02 40.41,95.24 40.31,95.15 39.92,95.15 39.82,95.24 39.82,96.02 39.52,96.32 38.84,96.32 38.54,96.02 38.54,95.24 38.44,95.15 38.04,95.15 37.94,95.24 37.94,96.02 37.64,96.32 37.24,96.32 37.09,96.47 37.09,100.22 36.35,100.95 J81.4